# KiCad board PS-MotorControllerInterfacePCB.kicad_pcb
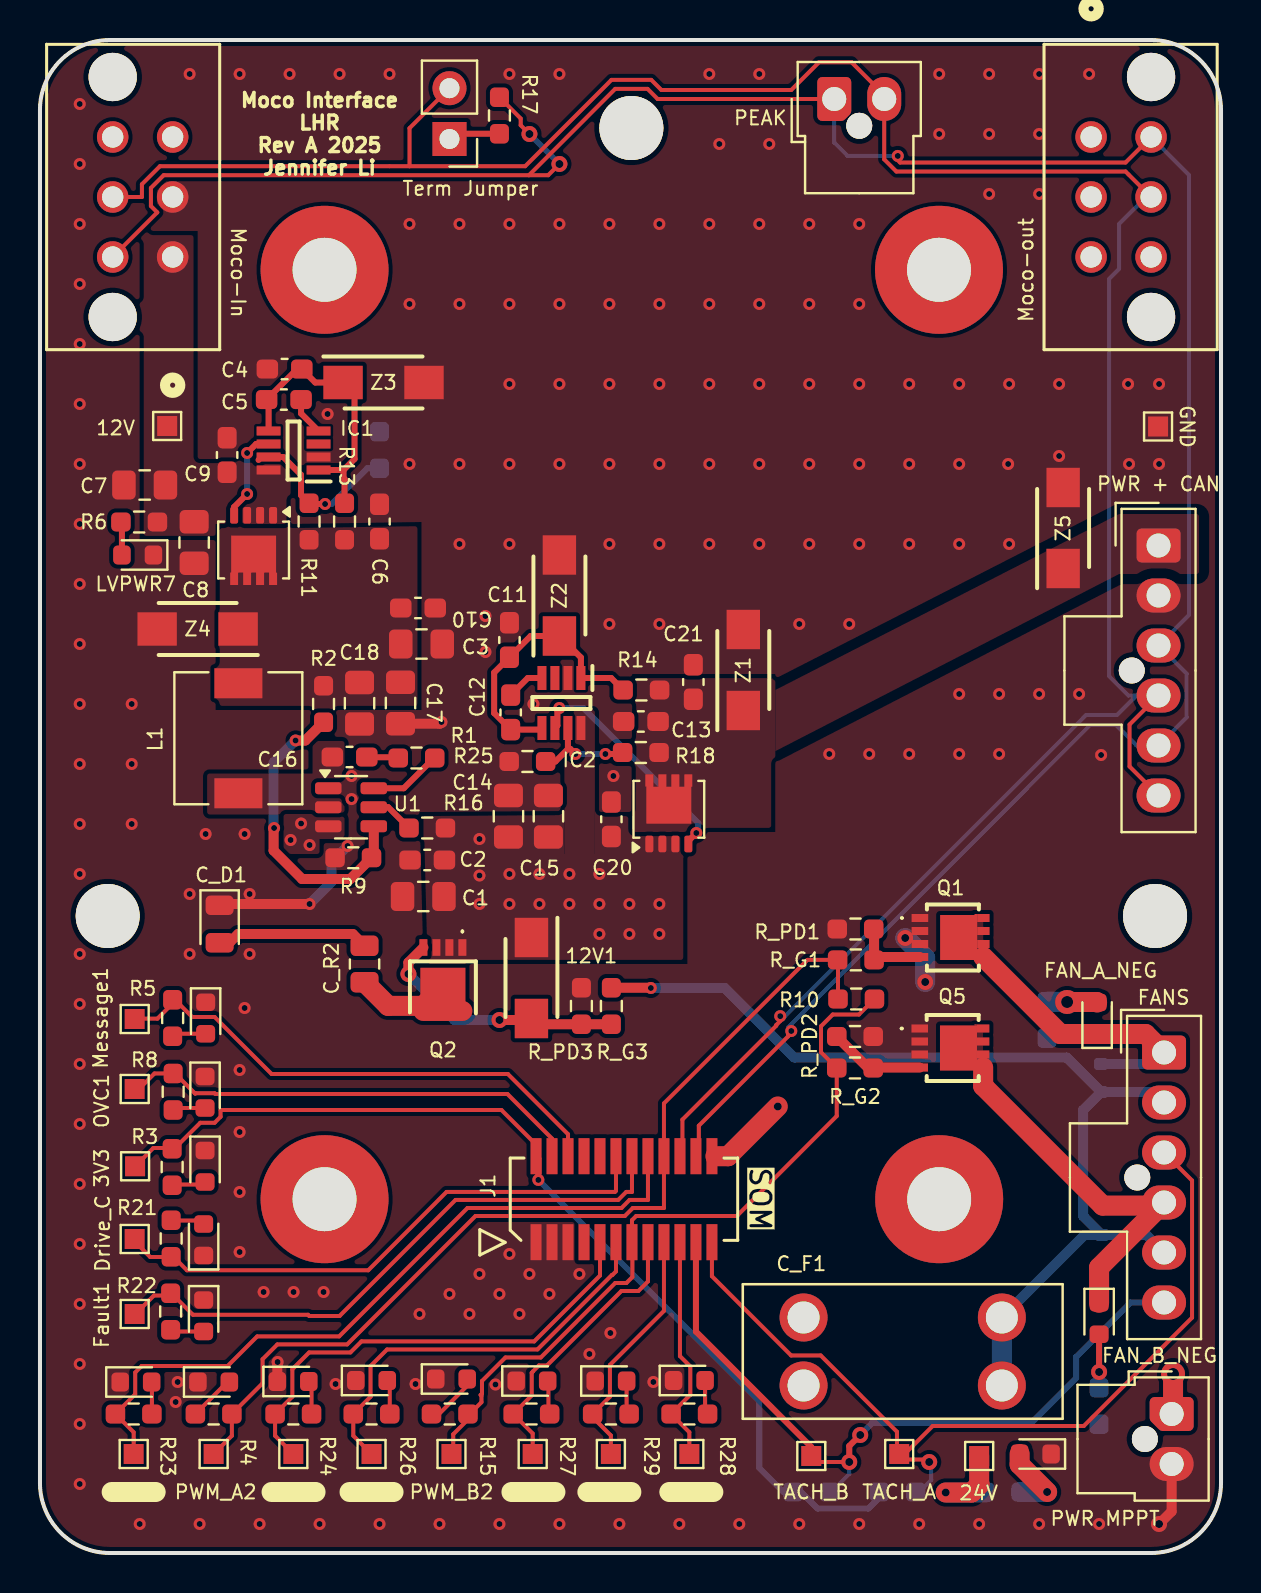
[diagram p0: board, top side]
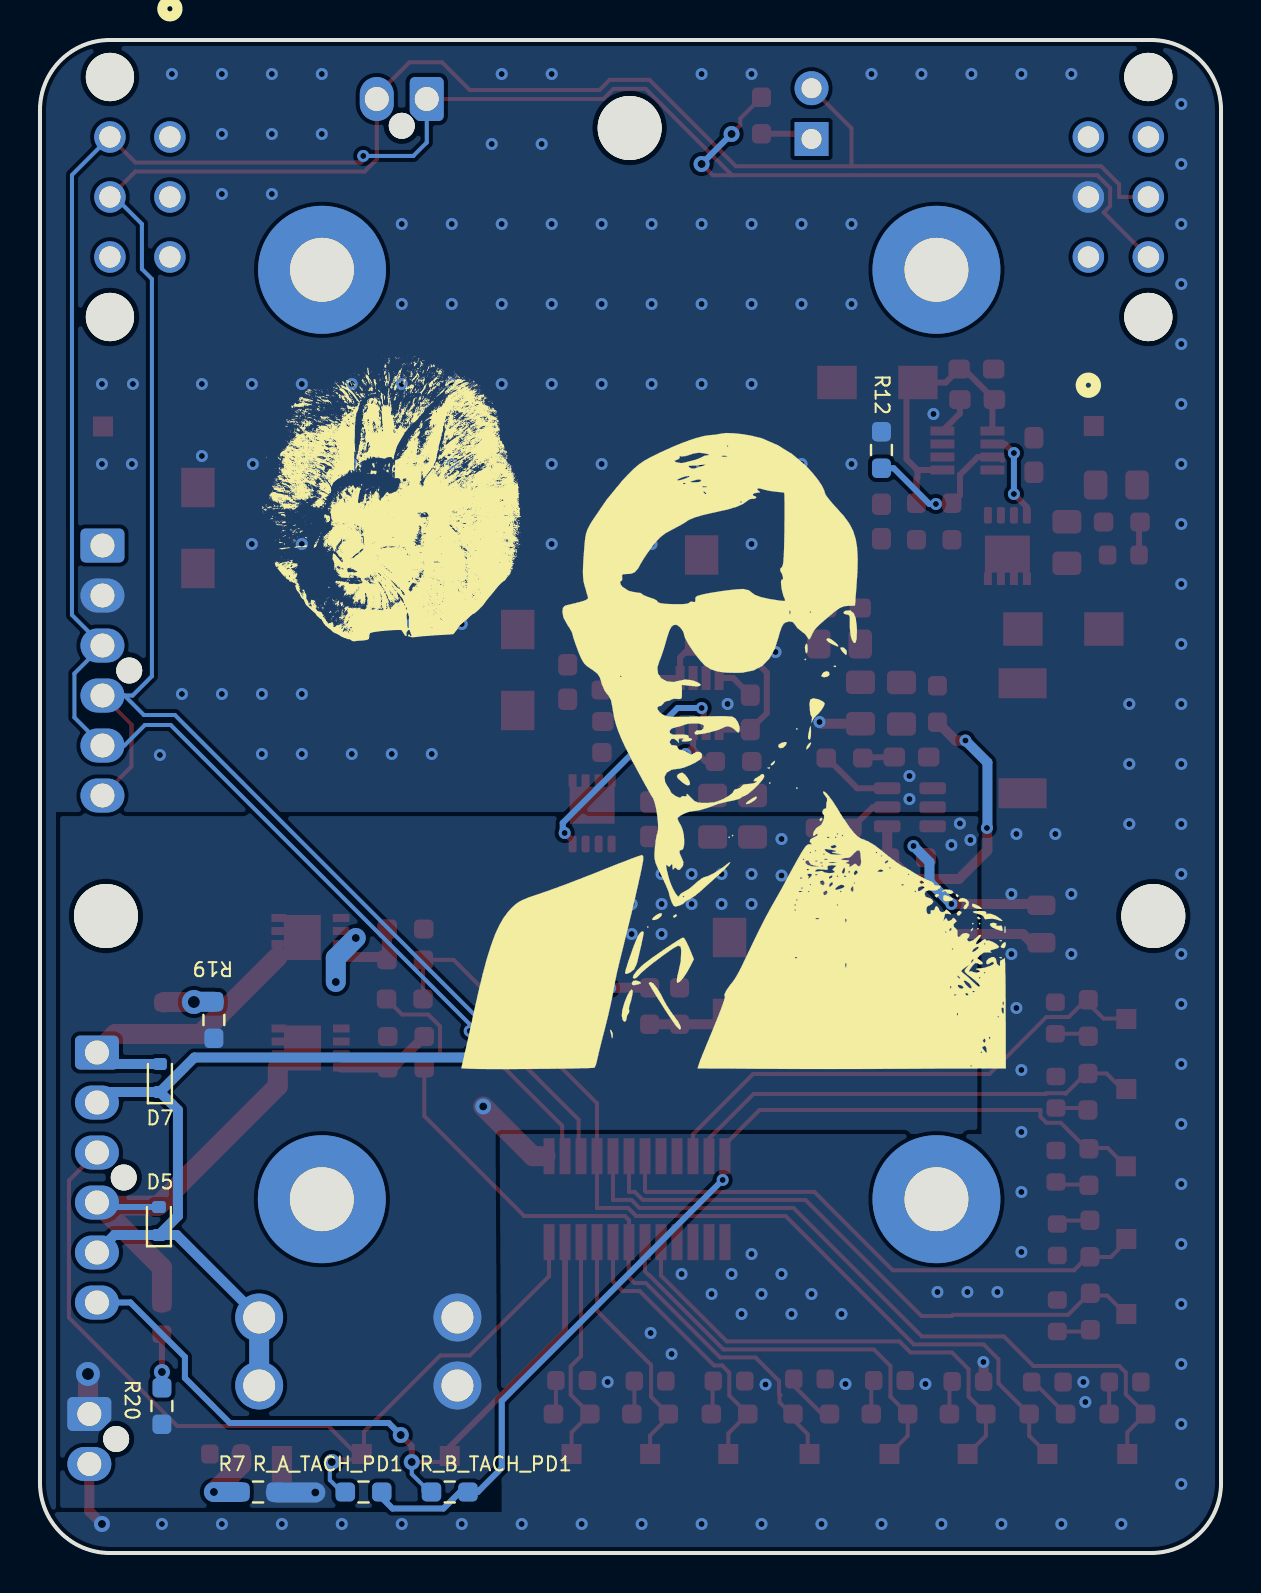
[diagram p1: board, bottom side, seen from below]

Outline 59.09 x 75.65 mm; copper layers: Top, Bottom. Coordinates in mm from the lower left corner of the outline.
Outline path: 0,72.15 arc(1.03,74.62) 3.5,75.65 55.59,75.65 arc(58.06,74.62) 59.09,72.15 59.09,3.5 arc(58.06,1.03) 55.59,0 3.5,0 arc(1.03,1.03) 0,3.5 0,72.15
Stack: Top 0.035mm / dielectric 1.51mm FR4 er 4.5 / Bottom 0.035mm

## Placement (name value [footprint] x y rotation side)
3V3  TP_3V3  [TestPoint_Pad_1.0x1.0mm]  4.76 19.34 180 top
12V  TP_12V  [TestPoint_Pad_1.0x1.0mm]  6.36 56.35 0 top
12V1  SMAF4742A  [SODFL5026X125N]  24.59 28.75 270 top
24V  TP_B_NEG  [TestPoint_Pad_1.0x1.0mm]  46.99 4.85 180 top
24V#2  LED  [LED_0603_1608Metric]  49.8 4.95 180 top
C1  10u  [C_0805_2012Metric_Pad1.18x1.45mm_HandSolder]  19.18 32.83 180 top
C2  100n  [C_0603_1608Metric_Pad1.08x0.95mm_HandSolder]  19.38 34.65 180 top
C3  22u  [C_0805_2012Metric_Pad1.18x1.45mm_HandSolder]  19.09 45.45 0 top
C4  1u  [C_0603_1608Metric_Pad1.08x0.95mm_HandSolder]  12.24 59.2 0 top
C5  220n  [C_0603_1608Metric_Pad1.08x0.95mm_HandSolder]  12.2 57.67 0 top
C6  .1u  [C_0603_1608Metric_Pad1.08x0.95mm_HandSolder]  16.99 51.58 270 top
C7  10u  [C_0805_2012Metric_Pad1.18x1.45mm_HandSolder]  5.24 53.4 180 top
C8  10u  [C_0805_2012Metric_Pad1.18x1.45mm_HandSolder]  7.71 50.53 270 top
C9  0.1u  [C_0603_1608Metric_Pad1.08x0.95mm_HandSolder]  9.36 54.9 90 top
C10  0.1u  [C_0603_1608Metric_Pad1.08x0.95mm_HandSolder]  18.91 47.25 0 top
C11  1u  [C_0603_1608Metric_Pad1.08x0.95mm_HandSolder]  23.49 45.65 270 top
C12  220n  [C_0603_1608Metric_Pad1.08x0.95mm_HandSolder]  23.55 42.03 90 top
C13  .1u  [C_0603_1608Metric_Pad1.08x0.95mm_HandSolder]  30.06 41.58 0 top
C14  10u  [C_0805_2012Metric_Pad1.18x1.45mm_HandSolder]  23.44 36.84 90 top
C15  10u  [C_0805_2012Metric_Pad1.18x1.45mm_HandSolder]  25.44 36.84 90 top
C16  100n  [C_0603_1608Metric_Pad1.08x0.95mm_HandSolder]  15.49 39.8 180 top
C17  22u  [C_0805_2012Metric_Pad1.18x1.45mm_HandSolder]  18.04 42.5 270 top
C18  22u  [C_0805_2012Metric_Pad1.18x1.45mm_HandSolder]  15.99 42.49 270 top
C20  0.1u  [C_0603_1608Metric_Pad1.08x0.95mm_HandSolder]  28.59 36.69 90 top
C21  0.1u  [C_0603_1608Metric_Pad1.08x0.95mm_HandSolder]  32.69 43.55 90 top
C_D1  20mA  [LED_0805_2012Metric]  8.99 31.45 270 top
C_F1  10A  [FUSE_3568]  43.16 10.08 0 top
C_R2  4.3k  [R_0805_2012Metric]  16.24 29.45 90 top
D5  1N4148WT  [D_SOD-523]  53.14 16.6 90 bottom
D7  1N4148WT  [D_SOD-523]  53.09 23.75 90 bottom
Drive_C  TP_D_C  [TestPoint_Pad_1.0x1.0mm]  4.74 15.7 90 top
FAN_A_NEG  LED  [LED_0603_1608Metric]  52.89 26.74 90 top
FAN_B_NEG  LED  [LED_0603_1608Metric]  52.99 11.73 270 top
FANS  Conn_01x06  [Molex_Nano-Fit_105309-xx06_1x06_P2.50mm_Vertical]  56.24 25.03 0 top
Fault1  TP_F  [TestPoint_Pad_1.0x1.0mm]  4.74 11.95 90 top
G***  LOGO  [richarddd]  41.49 52.45 180 bottom
G***#2  -  [LHRs_LOGO]  28.99 61.45 180 bottom
G***#3  LOGO  [Hallock_Image]  25.5 40.49 180 bottom
GND  TP_GND  [TestPoint_Pad_1.0x1.0mm]  55.94 56.33 270 top
H1  MountingHole_Pad  [MountingHole_3.2mm_M3]  55.79 31.85 0 top
H2  MountingHole_Pad  [MountingHole_3.2mm_M3]  3.39 31.85 0 top
H4  MountingHole_Pad  [MountingHole_3.2mm_M3]  29.59 71.25 0 top
IC1  LM74502HDDFR  [SOT65P280X110-8N]  12.69 55.12 180 top
IC2  LM74502HDDFR  [SOT65P280X110-8N]  26.09 42.5 270 top
J1  53307-2471  [PeripheralSOM]  29.22 17.69 180 top
L1  6.8u  [L_6.3x6.3_H3]  9.93 40.74 90 top
LED  LED  [TestPoint_Pad_1.0x1.0mm]  4.69 4.95 90 top
LED1  LED1  [TestPoint_Pad_1.0x1.0mm]  12.68 4.95 0 top
LED2  LED2  [TestPoint_Pad_1.0x1.0mm]  16.59 4.95 270 top
LED3  LED3  [TestPoint_Pad_1.0x1.0mm]  24.65 4.95 0 top
LED4  LED4  [TestPoint_Pad_1.0x1.0mm]  32.49 4.95 90 top
LED5  LED5  [TestPoint_Pad_1.0x1.0mm]  28.56 4.95 270 top
LVPWR2  LED  [LED_0603_1608Metric]  8.26 19.34 270 top
LVPWR3  LED  [LED_0603_1608Metric]  8.69 8.55 0 top
LVPWR4  LED  [LED_0603_1608Metric]  8.29 26.75 270 top
LVPWR5  LED  [LED_0603_1608Metric]  8.26 23.04 270 top
LVPWR6  LED  [LED_0603_1608Metric]  20.59 8.7 0 top
LVPWR7  LED  [LED_0603_1608Metric]  4.89 49.9 180 top
LVPWR8  LED  [LED_0603_1608Metric]  8.19 15.66 90 top
LVPWR9  LED  [LED_0603_1608Metric]  8.19 11.86 270 top
LVPWR10  LED  [LED_0603_1608Metric]  4.8 8.55 0 top
LVPWR11  LED  [LED_0603_1608Metric]  12.66 8.58 0 top
LVPWR12  LED  [LED_0603_1608Metric]  16.59 8.62 0 top
LVPWR13  LED  [LED_0603_1608Metric]  24.61 8.6 0 top
LVPWR14  LED  [LED_0603_1608Metric]  32.49 8.62 0 top
LVPWR15  LED  [LED_0603_1608Metric]  28.56 8.6 0 top
Message1  TP_M  [TestPoint_Pad_1.0x1.0mm]  4.74 26.7 90 top
Moco-In  MotorController-in  [Molex_Microfit3.0_02x03_6-Pin-Vertical-PCB-Receptacle_447690601]  6.64 64.8 90 top
Moco-out  MotorController-out  [Molex_Microfit3.0_02x03_6-Pin-Vertical-PCB-Receptacle_447690601]  52.59 70.8 270 top
OVC1  TP_OC  [TestPoint_Pad_1.0x1.0mm]  4.74 23.2 90 top
PEAK  PEAK  [Molex_Nano-Fit_105309-xx02_1x02_P2.50mm_Vertical]  39.74 72.7 90 top
PWM_A2  TP_PWM_A  [TestPoint_Pad_1.0x1.0mm]  8.69 4.95 180 top
PWM_B2  TP_PWM_B  [TestPoint_Pad_1.0x1.0mm]  20.59 4.95 180 top
PWR + CAN  Conn_01x06  [Molex_Nano-Fit_105309-xx06_1x06_P2.50mm_Vertical]  55.96 50.38 0 top
PWR MPPT  Power MPPT  [Molex_Nano-Fit_105309-xx02_1x02_P2.50mm_Vertical]  56.62 6.95 0 top
Q1  -  [PSMN8R5-40MSDX]  45.67 30.78 270 top
Q2  BUK6M61-60  [BUK9M34100EX]  20.16 28.63 180 top
Q5  -  [PSMN8R5-40MSDX]  45.66 25.25 270 top
Q6  PSMN8R5-40MSDX  [PSMN8R5-40MSDX#2]  10.79 50.25 270 top
Q7  PSMN8R5-40MSDX  [PSMN8R5-40MSDX#2]  31.36 37.09 90 top
R1  30  [R_0603_1608Metric_Pad0.98x0.95mm_HandSolder]  18.84 39.75 180 top
R2  140k  [R_0603_1608Metric_Pad0.98x0.95mm_HandSolder]  14.19 42.45 270 top
R3  4.3k  [R_0603_1608Metric_Pad0.98x0.95mm_HandSolder]  6.61 19.3 90 top
R4  4.3k  [R_0603_1608Metric_Pad0.98x0.95mm_HandSolder]  8.69 6.95 0 top
R5  4.3k  [R_0603_1608Metric_Pad0.98x0.95mm_HandSolder]  6.64 26.75 90 top
R6  4.3k  [R_0603_1608Metric_Pad0.98x0.95mm_HandSolder]  4.96 51.55 0 top
R7  4.3k  [R_0603_1608Metric_Pad0.98x0.95mm_HandSolder]  48.18 3.05 180 bottom
R8  4.3k  [R_0603_1608Metric_Pad0.98x0.95mm_HandSolder]  6.66 23.06 90 top
R9  10k  [R_0603_1608Metric_Pad0.98x0.95mm_HandSolder]  15.68 34.76 180 top
R10  0  [R_0603_1608Metric_Pad0.98x0.95mm_HandSolder]  40.84 27.7 0 top  (not fitted)
R11  100k  [R_0603_1608Metric_Pad0.98x0.95mm_HandSolder]  13.46 51.58 90 top
R12  9。5k  [R_0603_1608Metric_Pad0.98x0.95mm_HandSolder]  16.99 55.15 90 bottom
R13  10k  [R_0603_1608Metric_Pad0.98x0.95mm_HandSolder]  15.24 51.58 90 top
R14  10k  [R_0603_1608Metric_Pad0.98x0.95mm_HandSolder]  30.09 43.15 180 top
R15  4.3k  [R_0603_1608Metric_Pad0.98x0.95mm_HandSolder]  20.5 6.95 0 top
R16  220k  [R_0603_1608Metric_Pad0.98x0.95mm_HandSolder]  19.38 36.25 180 top
R17  120  [R_0603_1608Metric_Pad0.98x0.95mm_HandSolder]  22.99 71.88 270 top  (not fitted)
R18  200k  [R_0603_1608Metric_Pad0.98x0.95mm_HandSolder]  30.06 40.03 180 top
R19  4.3k  [R_0603_1608Metric_Pad0.98x0.95mm_HandSolder]  50.39 26.65 270 bottom
R20  4.3k  [R_0603_1608Metric_Pad0.98x0.95mm_HandSolder]  52.99 7.35 270 bottom
R21  4.3k  [R_0603_1608Metric_Pad0.98x0.95mm_HandSolder]  6.56 15.73 270 top
R22  4.3k  [R_0603_1608Metric_Pad0.98x0.95mm_HandSolder]  6.54 12.08 90 top
R23  4.3k  [R_0603_1608Metric_Pad0.98x0.95mm_HandSolder]  4.69 6.95 180 top
R24  4.3k  [R_0603_1608Metric_Pad0.98x0.95mm_HandSolder]  12.68 6.95 180 top
R25  9k  [R_0603_1608Metric_Pad0.98x0.95mm_HandSolder]  24.39 39.58 180 top
R26  4.3k  [R_0603_1608Metric_Pad0.98x0.95mm_HandSolder]  16.59 6.95 180 top
R27  4.3k  [R_0603_1608Metric_Pad0.98x0.95mm_HandSolder]  24.59 6.95 180 top
R28  4.3k  [R_0603_1608Metric_Pad0.98x0.95mm_HandSolder]  32.49 6.95 180 top
R29  4.3k  [R_0603_1608Metric_Pad0.98x0.95mm_HandSolder]  28.56 6.95 180 top
R_A_TACH_PD1  10k  [R_0603_1608Metric_Pad0.98x0.95mm_HandSolder]  42.9 3.05 180 bottom
R_B_TACH_PD1  10k  [R_0603_1608Metric_Pad0.98x0.95mm_HandSolder]  38.59 3.05 180 bottom
R_G1  100  [R_0603_1608Metric_Pad0.98x0.95mm_HandSolder]  40.82 29.66 180 top
R_G2  100  [R_0603_1608Metric_Pad0.98x0.95mm_HandSolder]  40.78 24.25 180 top
R_G3  100  [R_0603_1608Metric_Pad0.98x0.95mm_HandSolder]  28.59 27.35 90 top
R_PD1  10k  [R_0603_1608Metric_Pad0.98x0.95mm_HandSolder]  40.8 31.2 0 top
R_PD2  10k  [R_0603_1608Metric_Pad0.98x0.95mm_HandSolder]  40.78 25.83 180 top
R_PD3  10k  [R_0603_1608Metric_Pad0.98x0.95mm_HandSolder]  27.09 27.35 270 top
TACH_A  TP_A_TACH  [TestPoint_Pad_1.0x1.0mm]  42.99 4.95 180 top
TACH_B  TP_B_TACH  [TestPoint_Pad_1.0x1.0mm]  38.59 4.85 180 top
Term Jumper  TRM  [PinHeader_1x02_P2.54mm_Vertical]  20.49 70.7 180 top  (not fitted)
U1  TPS56339DDC  [SOT-23-6]  15.56 37.29 0 top
Z1  SMAF4751A-TP  [SODFL5026X125N]  35.19 44.15 90 top
Z2  SMAF4751A-TP  [SODFL5026X125N]  25.99 47.88 90 top
Z3  SMAF4744A  [SODFL5026X125N]  17.19 58.53 0 top
Z4  SMAF4744A  [SODFL5026X125N]  7.89 46.2 180 top
Z5  SMAF4744A  [SODFL5026X125N]  51.19 51.25 90 top

## Library data of the parts
3V3 12V 24V Drive_C Fault1 GND LED LED1-LED5 Message1 OVC1 PWM_A2 PWM_B2 TACH_A TACH_B = -: Description: test point; ki_fp_filters: Pin* Test*
12V1 Z1-Z5 = -: Datasheet: https://www.mccsemi.com/pdf/Products/SMAF4735A_SMAF4764A(DO-221AC).pdf; Description: 1.0 Watt Zener Diodes 6.2V to 100V; Height: 1.25; Mouser Part Number: 833-SMAF4749A-TP; Mouser Price/Stock: https://www.mouser.co.uk/ProductDetail/Micro-Commercial-Components-MCC/SMAF4749A-TP?qs=%252BXxaIXUDbq1bdSZ3Ebik%2FA%3D%3D; Manufacturer_Name: MCC; Manufacturer_Part_Number: SMAF4749A-TP
24V#2 FAN_A_NEG FAN_B_NEG LVPWR2-LVPWR15 = -: Description: Light emitting diode; Sim.Pins: 1=K 2=A; ki_fp_filters: LED* LED_SMD:* LED_THT:*
C1 C7 C8 C14 C15 = -: Description: Unpolarized capacitor; Manufacturer_Part_Number: GRM21BR61H106KE43K; ki_fp_filters: C_*
C2 C9 C10 C16 C20 C21 = -: Description: Unpolarized capacitor; Manufacturer_Part_Number: MLASH168SB7104KTNA01; ki_fp_filters: C_*
C3 C17 C18 = -: Description: Unpolarized capacitor; ki_fp_filters: C_*
C4 C11 = -: Description: Unpolarized capacitor; Manufacturer_Part_Number: MLASU168SB5105KTNA01; ki_fp_filters: C_*
C5 C12 = -: Description: Unpolarized capacitor; Manufacturer_Part_Number: MSASU168SB7224KTNB25; ki_fp_filters: C_*
C6 C13 = -: Description: Unpolarized capacitor; Manufacturer_Part_Number: 06035C223K4T4A; ki_fp_filters: C_*
C_D1 = -: Description: Light emitting diode; ki_fp_filters: LED* LED_SMD:* LED_THT:*
C_F1 = -: Description: Fuse; ki_fp_filters: *Fuse*
C_R2 = -: Description: Resistor, US symbol; Manufacturer_Part_Number: CRCW06034K30FKEA; ki_fp_filters: R_*
D5 D7 = -: Datasheet: https://www.diodes.com/assets/Datasheets/ds30396.pdf; Description: 75V 0.15A Fast switching Diode, SOD-523; Sim.Device: D; Sim.Pins: 1=K 2=A; Manufacturer_Part_Number: NCD0603R1; ki_fp_filters: D*SOD?523*
FANS PWR + CAN = -: Description: Generic connector, single row, 01x06, script generated (kicad-library-utils/schlib/autogen/connector/); ki_fp_filters: Connector*:*_1x??_*
H1 H2 H4 = -: Description: Mounting Hole with connection; ki_fp_filters: MountingHole*Pad*
IC1 IC2 = -: Datasheet: https://www.ti.com/lit/ds/symlink/lm74502h.pdf?HQS=dis-mous-null-mousermode-dsf-pf-null-wwe&ts=1659509238199&ref_url=https%253A%252F%252Fwww.mouser.vn%252F; Description: Hot Swap Voltage Controllers 3.2-V to 65-V industrial RPP controller with load disconnect, OVP, and high gate drive; Height: 1.1; Mouser Part Number: 595-LM74502HDDFR; Mouser Price/Stock: https://www.mouser.co.uk/ProductDetail/Texas-Instruments/LM74502HDDFR?qs=t7xnP681wgWDbfat8Yg%252B%2Fg%3D%3D; Manufacturer_Name: Texas Instruments
J1 = -: Datasheet: https://www.molex.com/en-us/products/part-detail-pdf/533072471?display=pdf; Description: Board-to-board connector for Peripheral SOM daughterboards
L1 = -: Description: Inductor; ki_fp_filters: Choke_* *Coil* Inductor_* L_*
Moco-In Moco-out = -: Description: Generic connector, double row, 02x03, top/bottom pin numbering scheme (row 1: 1...pins_per_row, row2: pins_per_row+1 ... num_pins), script generated (kicad-library-utils/schlib/autogen/connector/); ki_fp_filters: Connector*:*_2x??_*
PEAK PWR MPPT = -: Description: Generic connector, single row, 01x02, script generated (kicad-library-utils/schlib/autogen/connector/); ki_fp_filters: Connector*:*_1x??_*
Q1 Q2 Q5-Q7 = -: Datasheet: https://assets.nexperia.com/documents/data-sheet/PSMN8R5-40MSD.pdf; Description: MOSFETs PSMN8R5-40MSD/SOT1210/mLFPAK; Height: 1; Mouser Part Number: 771-PSMN8R5-40MSDX; Mouser Price/Stock: https://www.mouser.co.uk/ProductDetail/Nexperia/PSMN8R5-40MSDX?qs=vHuUswq2%252BswjdnYdBdHaPw%3D%3D; Manufacturer_Name: Nexperia
R1 R2 R16 = -: Description: Resistor; ki_fp_filters: R_*
R3-R8 R15 R19-R24 R26-R29 = -: Description: Resistor; Manufacturer_Part_Number: CRCW06034K30FKEA; ki_fp_filters: R_*
R9 R_A_TACH_PD1 R_B_TACH_PD1 R_PD1-R_PD3 = -: Description: Resistor; Manufacturer_Part_Number: CRCW060310K0FKEI; ki_fp_filters: R_*
R10 = -: Description: Resistor; Manufacturer_Part_Number: CRCW06030000Z0EE; ki_fp_filters: R_*
R11 = -: Description: Resistor, US symbol; Manufacturer_Part_Number: CRCW0603100KFKEE; ki_fp_filters: R_*
R12 R25 = -: Description: Resistor, US symbol; ki_fp_filters: R_*
R13 R14 = -: Description: Resistor, US symbol; Manufacturer_Part_Number: CRCW060310K0FKEI; ki_fp_filters: R_*
R17 = -: Description: Resistor; P/N: CRCW0603120RFKEC; Manufacturer_Part_Number: CRCW0603120RFKEC; ki_fp_filters: R_*
R18 = -: Description: Resistor, US symbol; Manufacturer_Part_Number: MCT06030C2003FP500; ki_fp_filters: R_*
R_G1-R_G3 = -: Description: Resistor; Manufacturer_Part_Number: CRCW0603120RFKEC; ki_fp_filters: R_*
Term Jumper = -: Description: Jumper, 2-pole, open; P/N: QPC02SXGN-RC; ki_fp_filters: Jumper* TestPoint*2Pads* TestPoint*Bridge*
U1 = -: Datasheet: https://www.ti.com/lit/ds/symlink/tps56339.pdf; Description: 4.5V to 24V Input, 3-A Output Synchronous Buck Converter, SOT-23-6; ki_fp_filters: SOT?23*

## Footprints (pads in the part's own frame, mm; a bottom-side part is the same pattern mirrored in y, then rotated)
BUK9M34100EX
  rect 0.4x0.83 smd: 1(-0.975,-1.647) 2(-0.325,-1.647) 3(0.325,-1.647) 4(0.975,-1.647)
  rect 0.4x0.62 smd: 5(0.975,1.527) 6(0.325,1.527) 7(-0.325,1.527) 8(-0.975,1.527)
  rect 2.25x1.85 smd: 9(0,0.292)
  rect 0.05x0.13 smd: 10(-1.15,1.152) 11(1.15,1.152)
C_0603_1608Metric_Pad1.08x0.95mm_HandSolder
  rrect 1.075x0.95 smd: 1(-0.863,0) 2(0.863,0)
C_0805_2012Metric_Pad1.18x1.45mm_HandSolder
  rrect 1.175x1.45 smd: 1(-1.038,0) 2(1.038,0)
D_SOD-523
  rrect 0.6x0.7 smd: 1(-0.7,0) 2(0.7,0)
FUSE_3568
  round 2.4 hole 1.6: 1(-4.96,1.7) 2(4.96,1.7) 3(-4.96,-1.7) 4(4.96,-1.7)
L_6.3x6.3_H3
  rect 1.5x2.4 smd: 1(-2.75,0) 2(2.75,0)
LED_0603_1608Metric
  rrect 0.875x0.95 smd: 1(-0.787,0) 2(0.787,0)
LED_0805_2012Metric
  rrect 0.975x1.4 smd: 1(-0.938,0) 2(0.938,0)
Molex_Microfit3.0_02x03_6-Pin-Vertical-PCB-Receptacle_447690601
  round 2.413 hole 2.413 unplated: (-3,3) (9,3)
  round 1.575 hole 1.067: 1(0,0) 2(3,0) 3(6,0) 4(0,3) 5(3,3) 6(6,3)
Molex_Nano-Fit_105309-xx02_1x02_P2.50mm_Vertical
  round 1.3 hole 1.3 unplated: (-1.34,-1.25)
  custom 2.2x1.7 hole 1.2: 1(0,0)
  oval 2.2x1.7 hole 1.2: 2(0,-2.5)
Molex_Nano-Fit_105309-xx06_1x06_P2.50mm_Vertical
  round 1.3 hole 1.3 unplated: (-1.34,-6.25)
  rrect 2.2x1.7 hole 1.2: 1(0,0)
  oval 2.2x1.7 hole 1.2: 2(0,-2.5) 3(0,-5) 4(0,-7.5) 5(0,-10) 6(0,-12.5)
MountingHole_3.2mm_M3
  round 3.2 hole 3.2 unplated: (0,0)
PeripheralSOM
  rect 0.55x1.8 smd: 1(4.4,2.15) 2(4.4,-2.15) 3(3.6,2.15) 4(3.6,-2.15) 5(2.8,2.15) 6(2.8,-2.15) 7(2,2.15) 8(2,-2.15) 9(1.2,2.15) 10(1.2,-2.15) 11(0.4,2.15) 12(0.4,-2.15) 13(-0.4,2.15) 14(-0.4,-2.15) 15(-1.2,2.15) 16(-1.2,-2.15) 17(-2,2.15) 18(-2,-2.15) 19(-2.8,2.15) 20(-2.8,-2.15) 21(-3.6,2.15) 22(-3.6,-2.15) 23(-4.4,2.15) 24(-4.4,-2.15)
  round 3.6 hole 3.2: 25(-15.77,0) 26(14.98,0) 27(14.98,-46.47) 28(-15.76,-46.47)
  round 6.4 smd: 25(-15.77,0) 26(14.98,0) 27(14.98,-46.47) 28(-15.76,-46.47)
  round 6.4 smd far side: 25(-15.77,0) 26(14.98,0) 27(14.98,-46.47) 28(-15.76,-46.47)
PinHeader_1x02_P2.54mm_Vertical
  rect 1.7x1.7 hole 1: 1(0,0)
  round 1.7 hole 1: 2(0,-2.54)
PSMN8R5-40MSDX
  rect 0.4x0.83 smd: 1(-0.975,-1.65) 2(-0.325,-1.65) 3(0.325,-1.65) 4(0.975,-1.65)
  rect 0.4x0.62 smd: 5(0.975,1.525) 6(0.325,1.525) 7(-0.325,1.525) 8(-0.975,1.525)
  rect 2.25x1.85 smd: 9(0,0.29)
  rect 0.05x0.13 smd: 10(1.15,1.15) 11(-1.15,1.15)
PSMN8R5-40MSDX#2
  rrect 0.83x0.3 smd: (-1.635,0.875) (-1.635,0.225) (-1.635,-0.425) (-1.635,-1.075) (1.475,0.875) (1.475,0.225) (1.475,-0.425) (1.475,-1.075)
  rrect 0.51x0.635 smd: (-0.315,0.526) (-0.315,-0.726) (0.545,0.526) (0.545,-0.726)
  rrect 0.83x0.4 smd: 1(-1.635,0.875) 1(-1.635,0.225) 1(-1.635,-0.425) 2(-1.635,-1.075)
  custom 2.47x2.35 smd: 3(0.305,-0.1)
R_0603_1608Metric_Pad0.98x0.95mm_HandSolder
  rrect 0.975x0.95 smd: 1(-0.912,0) 2(0.912,0)
R_0805_2012Metric
  rrect 1.025x1.4 smd: 1(-0.912,0) 2(0.912,0)
SODFL5026X125N
  rect 1.97x1.67 smd: 1(-2.025,0) 2(2.025,0)
SOT65P280X110-8N
  rect 1.2x0.45 smd: 1(-1.25,0.975) 2(-1.25,0.325) 3(-1.25,-0.325) 4(-1.25,-0.975) 5(1.25,-0.975) 6(1.25,-0.325) 7(1.25,0.325) 8(1.25,0.975)
SOT-23-6
  rrect 1.325x0.6 smd: 1(-1.137,0.95) 2(-1.137,0) 3(-1.137,-0.95) 4(1.137,-0.95) 5(1.137,0) 6(1.137,0.95)
TestPoint_Pad_1.0x1.0mm
  rect 1x1 smd: 1(0,0)

## Nets
+3V3: 3V3.1 J1.2 R3.2 R_A_TACH_PD1.2 R_B_TACH_PD1.2
+12V: 12V.1 C7.1 C8.1 C9.1 IC1.8 Moco-In.1 Q6.1 R6.2
+24V: 12V1.1 24V.1 C1.1 C2.1 C14.1 C15.1 C20.1 C_F1.1 C_F1.3 IC2.8 J1.24 PWR MPPT.1 Q2.1 Q2.2 Q2.3 Q7.1 R7.2 R16.1 R19.2 R20.2 U1.3
/12V_BUS: C3.1 C6.2 C10.1 C17.1 C18.1 L1.2 Q6.3 R2.1 R11.1 R13.1 Z4.1
/VIN_24V: C13.2 C21.1 PWR + CAN.1 Q7.3 R14.1 R18.1 Z1.1 Z5.1
GND: 24V#2.1 C1.2 C2.2 C3.2 C4.1 C6.1 C7.2 C8.2 C9.2 C10.2 C11.1 C13.1 C14.2 C15.2 C17.2 C18.2 C20.2 C21.2 C_D1.1 GND.1 IC1.2 IC2.2 J1.1 J1.3 J1.5 LVPWR2.1 LVPWR3.1 LVPWR4.1 LVPWR5.1 LVPWR6.1 LVPWR7.1 LVPWR8.1 LVPWR9.1 LVPWR10.1 LVPWR11.1 LVPWR12.1 LVPWR13.1 LVPWR14.1 LVPWR15.1 Moco-In.2 PWR + CAN.2 PWR MPPT.2 Q1.1 Q1.2 Q1.3 Q5.1 Q5.2 Q5.3 R9.2 R12.2 R25.2 R_PD1.1 R_PD2.1 R_PD3.1 U1.1 Z1.2 Z2.2 Z3.2 Z4.2 Z5.2
/Buck Converter 24V-12V/SW: C16.2 L1.1 U1.2
/CAN_N: J1.20 Moco-In.5 Moco-out.5 PEAK.2 PWR + CAN.4 PWR + CAN.6 Term Jumper.2
/CAN_P: J1.22 Moco-In.4 Moco-out.4 PEAK.1 PWR + CAN.3 PWR + CAN.5 R17.1
/D_C: Drive_C.1 J1.12 R21.2
/FAN_A_TACHO: FANS.3 J1.23 R_A_TACH_PD1.1 TACH_A.1
/FAN_B_TACHO: FANS.6 J1.21 R_B_TACH_PD1.1 TACH_B.1
/Fans/FAN_A_NEG: D7.2 FAN_A_NEG.1 FANS.1 Q1.5 Q1.6 Q1.7 Q1.8 Q1.9 Q1.10 Q1.11
/Fans/FAN_B_NEG: D5.2 FAN_B_NEG.1 FANS.4 Q5.5 Q5.6 Q5.7 Q5.8 Q5.9 Q5.10 Q5.11
/FANS_IN: C_F1.2 C_F1.4 D5.1 D7.1 FANS.2 FANS.5 R_G3.2
/LED: J1.16 LED.1 R23.2
/LED1: J1.9 LED1.1 R24.2
/LED2: J1.11 LED2.1 R26.2
/LED3: J1.15 LED3.1 R27.2
/LED4: J1.19 LED4.1 R28.2
/LED5: J1.17 LED5.1 R29.2
/M_FAULT: Fault1.1 J1.14 R22.2
/MESSAGE: J1.6 Message1.1 R5.2
/Power12V/OV: IC1.7 R11.2 R12.1
/Power24V/OV: IC2.7 R18.2 R25.1
/PWM_FAN_A: J1.18 PWM_A2.1 R4.2 R10.1 R_G1.2
/PWM_FAN_B: J1.13 PWM_B2.1 R10.2 R15.2 R_G2.2
/RPP_EN12: C4.2 C5.1 IC1.1 IC1.5 R13.2 Z3.1
/RPP_EN24: C11.2 C12.1 IC2.1 IC2.5 R14.2 Z2.1
/S_OC: J1.4 OVC1.1 R8.2
Net-(12V1-A): 12V1.2 Q2.4 R_G3.1 R_PD3.2
Net-(C16-Pad1): C16.1 R1.2
Net-(C_D1-A): C_D1.2 C_R2.2
Net-(IC1-GATE): IC1.6 Q6.2
Net-(IC1-VCAP): C5.2 IC1.4
Net-(IC2-GATE): IC2.6 Q7.2
Net-(IC2-VCAP): C12.2 IC2.4
Net-(JP1-A): R17.2 Term Jumper.1
Net-(LVPWR1-A): 24V#2.2 R7.1
Net-(LVPWR2-A): LVPWR2.2 R3.1
Net-(LVPWR3-A): LVPWR3.2 R4.1
Net-(LVPWR4-A): LVPWR4.2 R5.1
Net-(LVPWR5-A): LVPWR5.2 R8.1
Net-(LVPWR6-A): LVPWR6.2 R15.1
Net-(LVPWR7-A): LVPWR7.2 R6.1
Net-(LVPWR8-A): LVPWR8.2 R21.1
Net-(LVPWR9-A): LVPWR9.2 R22.1
Net-(LVPWR10-A): LVPWR10.2 R23.1
Net-(LVPWR11-A): LVPWR11.2 R24.1
Net-(LVPWR12-A): LVPWR12.2 R26.1
Net-(LVPWR13-A): LVPWR13.2 R27.1
Net-(LVPWR14-A): LVPWR14.2 R28.1
Net-(LVPWR15-A): LVPWR15.2 R29.1
Net-(LVPWR16-A): FAN_A_NEG.2 R19.1
Net-(LVPWR17-A): FAN_B_NEG.2 R20.1
Net-(Q1-G): Q1.4 R_G1.1 R_PD1.2
Net-(Q2-D_1): C_R2.1 Q2.5 Q2.6 Q2.7 Q2.8 Q2.9 Q2.10 Q2.11
Net-(Q5-G): Q5.4 R_G2.1 R_PD2.2
Net-(U1-BOOT): R1.1 U1.6
Net-(U1-EN): R16.2 U1.5
Net-(U1-FB): R2.2 R9.1 U1.4

Pads without a net: IC1 3; IC2 3; J1 7 8 10 25 26 27 28; Moco-In 3 6; Moco-out 1 2 3 6

## Via types
v1: diameter 0.8, hole 0.4, Top to Bottom, 14 vias
v2: diameter 0.6, hole 0.3, Top to Bottom, 215 vias
v3: diameter 1.2, hole 0.6, Top to Bottom, 2 vias

## Routing (per net, layer and track width the routed paths; a pad name or vN(x,y) marks a point on that pad's centre or on a via; arc(x,y) is an arc through that point)
+3V3: length 50.4
  Top w0.2: 3V3.1 5.67,20.25 6.58,20.25 R3.2 6.72,20.21 8.02,21.51 8.74,21.51 9.04,21.81 9.04,22.15 23.09,22.15 24.82,20.42 J1.2
  Top w0.3: J1.2 24.93,19.72 v2(24.93,18.65)
  Bottom w0.3: 42.28,3.05 41.45,2.22 38.9,2.22 38.08,3.05 37.19,3.05 35.99,4.25 35.99,7.6 v2(24.93,18.65)
+24V: length 11.4
  Top w1: PWR MPPT.1 56.69,7.02 v3(56.69,8.95) ; 33.79,19.84 34.43,19.84 v1(36.91,22.33) ; 47.01,3.42 46.61,3.03 v1(45.31,3.03) ; 46.99,3.45 24V.1
  Bottom w1: v1(45.31,3.03) 47.29,3.03
  vias: v2(12.54,35.65) v2(13.06,36.48) v2(13.49,35.4) v2(21.99,35.7) v2(21.99,33.88) v2(21.99,32.45) v2(23.49,33.95) v2(23.49,32.45) v2(24.99,33.95) v2(24.99,32.45) v2(26.49,33.95) v2(26.49,32.45) v2(27.99,33.95) v2(27.99,32.45) v2(27.99,30.95) v2(29.49,32.45) v2(29.49,30.95) v2(30.99,32.45) v2(30.99,30.95)
GND: length 17.2
  Top w0.5: C17.2 20,41.46 v2(20.09,41.55) ; v2(13.49,32.45) 9.05,32.45 C_D1.1 ; LVPWR11.1 11.88,9.54 v2(11.89,9.55) ; PWR MPPT.2 56.62,2.08 v1(55.99,1.45)
  Bottom w0.5: v2(15.39,35.35) 14.59,34.55 14.59,33.55 v2(13.49,32.45)
  Bottom w1: v1(43.29,30.75) 44.29,29.75 v1(44.29,28.55)
  vias: v2(1.99,72.45) v2(1.99,69.45) v2(1.99,66.45) v2(1.99,63.45) v2(1.99,60.45) v2(1.99,57.45) v2(1.99,54.45) v2(1.99,51.45) v2(1.99,48.45) v2(1.99,45.45) v2(1.99,42.45) v2(1.99,39.45) v2(1.99,36.45) v2(1.99,33.95) v2(1.99,29.95) v2(1.99,27.45) v2(1.99,24.45) v2(1.99,21.45) v2(1.99,18.45) v2(1.99,15.45) v2(1.99,12.45) v2(1.99,9.45) v2(1.99,6.45) v2(1.99,3.45) v2(4.59,42.45) v2(4.59,39.45) v2(4.59,36.45) v2(4.99,1.45) v2(6.79,7.55) v2(6.89,8.55) v2(7.49,73.95) v2(7.49,32.95) v2(7.49,29.95) v2(7.99,1.45) v2(8.29,35.95) v2(9.99,73.95) v2(9.99,24.15) v2(9.99,21.05) v2(9.99,18.05) v2(9.99,15.05) v2(10.24,35.95) v2(10.24,27.25) v2(10.49,32.95) v2(10.49,29.95) v2(10.99,1.45) v2(11.19,13.05) v2(12.49,73.95) v2(12.69,13.05) v2(13.99,1.45) v2(14.19,13.05) v2(14.39,56.95) v2(14.79,8.45) v2(14.99,73.95) v2(15.59,38.85) v2(15.59,37.7) v2(16.99,1.45) v2(17.49,73.95) v2(18.49,66.45) v2(18.49,62.45) v2(18.49,54.45) v2(18.79,8.45) v2(18.99,11.95) v2(19.99,1.45) v2(20.49,12.95) v2(20.99,66.45) v2(20.99,62.45) v2(20.99,54.45) v2(20.99,50.45) v2(21.49,11.95) v2(21.99,13.95) v2(22.29,46.85) v2(22.29,45.05) v2(22.79,8.42) v2(22.99,12.95) v2(22.99,1.45) v2(23.49,73.95) v2(23.49,66.45) v2(23.49,62.45) v2(23.49,58.45) v2(23.49,54.45) v2(23.49,50.45) v2(23.49,14.95) v2(23.99,11.95) v2(24.49,13.95) v2(24.69,42.45) v2(25.49,12.95) v2(25.99,73.95) v2(25.99,66.45) v2(25.99,62.45) v2(25.99,58.45) v2(25.99,54.45) v2(25.99,1.45) v2(26.99,13.95) v2(27.49,9.95) v2(28.49,66.45) v2(28.49,62.45) v2(28.49,58.45) v2(28.49,54.45) v2(28.49,50.45) v2(28.49,46.45) v2(28.54,11) v2(28.69,38.85) v2(28.99,1.45) v2(30.69,8.55) v2(30.99,66.45) v2(30.99,62.45) v2(30.99,58.45) v2(30.99,54.45) v2(30.99,50.45) v2(30.99,46.45) v2(31.99,1.45) v2(33.49,73.95) v2(33.49,66.45) v2(33.49,62.45) v2(33.49,58.45) v2(33.49,54.45) v2(33.49,50.45) v2(33.99,70.45) v2(34.99,1.45) v2(35.99,73.95) v2(35.99,66.45) v2(35.99,62.45) v2(35.99,58.45) v2(35.99,54.45) v2(35.99,50.45) v2(36.49,70.45) v2(37.99,46.45) v2(37.99,1.45) v2(38.49,66.45) v2(38.49,62.45) v2(38.49,58.45) v2(38.49,54.45) v2(38.49,50.45) v2(39.49,39.95) v2(40.49,46.45) v2(40.99,66.45) v2(40.99,62.45) v2(40.99,58.45) v2(40.99,54.45) v2(40.99,50.45) v2(40.99,1.45) v2(41.49,39.95) v2(43.49,58.45) v2(43.49,54.45) v2(43.49,50.45) v2(43.49,39.95) v2(43.99,1.45) v2(44.99,73.95) v2(44.99,70.95) v2(45.99,58.45) v2(45.99,54.45) v2(45.99,50.45) v2(45.99,42.95) v2(45.99,39.95) v2(46.99,1.45) v2(47.49,73.95) v2(47.49,70.95) v2(47.49,67.95) v2(47.99,42.95) v2(47.99,39.95) v2(48.44,54.45) v2(48.49,58.45) v2(48.49,50.45) v2(49.99,73.95) v2(49.99,70.95) v2(49.99,67.95) v2(49.99,42.95) v2(49.99,1.45) v2(50.99,58.45) v2(50.99,54.85) v2(51.99,42.95) v2(52.49,73.95) v2(52.99,1.45) v2(53.09,39.9) v2(54.44,58.45) v2(54.49,54.45) v2(55.99,58.45) v2(55.99,54.45)
/CAN_N: length 133.6
  Top w0.2: 18.49,69.34 18.49,71.24 Term Jumper.2 ; 18.49,69.34 24.28,69.34 28.59,73.65 30.58,73.65 31.09,73.15 37.59,73.15 38.97,74.54 40.6,74.54 41.79,73.35 41.79,73.15 PEAK.2 42.24,69.68 42.85,69.07 54.31,69.07 Moco-out.5 ; 18.49,69.34 6,69.34 5.1,68.44 5.1,67.8 Moco-In.5 ; v2(37.04,26.84) 37.04,26.6 36.84,26.4 36.84,26.36 32.14,21.67 32.14,20.59 32.02,20.47 J1.20 ; PWR + CAN.4 54.51,41.42 54.51,39.33 PWR + CAN.6
  Bottom w0.2: Moco-out.5 55.34,67.8 53.99,66.45 53.99,64.2 53.49,63.7 53.49,43.84 54.45,42.88 PWR + CAN.4 54.86,42.88 53.89,41.9 52.34,41.9 37.28,26.84 v2(37.04,26.84)
/CAN_P: length 133.1
  Top w0.2: PEAK.1 30.9,72.7 30.4,73.21 28.78,73.21 24.46,68.89 ; R17.1 24.05,71.72 24.05,71.39 v1(24.49,70.95) ; Moco-In.4 5.87,67.03 5.55,67.35 5.55,68.25 6.19,68.89 24.46,68.89 ; v1(25.99,69.45) 25.43,68.89 24.46,68.89 ; J1.22 32.96,19.98 32.96,21.36 37.44,25.84 37.44,25.95 v2(37.59,26.1) ; Moco-out.4 54.31,69.52 43.03,69.52 42.85,69.71 42.85,69.78 v2(42.92,69.85)
  Bottom w0.2: Moco-out.4 57.49,68.9 57.49,46.9 PWR + CAN.3 57.36,43.97 57.36,41.78 PWR + CAN.5 54.86,40.38 53.84,41.4 52.55,41.4 37.44,26.29 37.44,26.25 v2(37.59,26.1) ; v2(42.92,69.85) 40.41,69.85 39.74,70.53 PEAK.1
  Bottom w0.3: v1(24.49,70.95) v1(25.99,69.45)
/D_C: length 28.1
  Top w0.2: J1.12 28.82,18.11 28.76,18.05 20.34,18.05 16.42,14.14 7.35,14.14 6.68,14.81 R21.2 6.55,14.8 5.51,14.8 4.69,15.62
/FAN_A_TACHO: length 45.1
  Top w0.2: 43.16,4.85 44.66,6.35 52.22,6.35 57.64,11.77 57.64,18.62 FANS.3 ; 43.16,4.85 42.88,4.85 42.88,6.06 39.06,9.88 37.58,9.88 33.62,13.84 J1.23 ; 43.16,4.85 43.34,4.67 44.36,4.67 v1(44.49,4.55)
  Bottom w0.2: 44.1,3.05 44.1,3.16 44.59,3.65 44.59,4.45 v1(44.49,4.55)
/FAN_B_TACHO: length 37
  Top w0.2: v1(40.49,4.55) 38.99,4.55 38.64,4.9
  Top w0.3: 38.64,4.9 TACH_B.1 38.59,5.3 32.82,11.07 J1.21 ; v1(40.49,4.55) 40.49,5.35 v1(41.04,5.9)
  Bottom w0.2: 39.9,3.05 39.9,3.36 40.49,3.95 v1(40.49,4.55)
  Bottom w0.3: v1(41.04,5.9) 41.64,6.5 49.59,6.5 51.84,8.75 51.84,9.8 54.56,12.53 FANS.6
/Fans/FAN_A_NEG: length 14.4
  Top w1: FANS.1 55.31,25.95 FAN_A_NEG.1 51.05,25.95 Q1.5
  Bottom w0.5: D7.2 55.66,24.45 FANS.1
/Fans/FAN_B_NEG: length 22.1
  Top w1: Q5.5 47.19,23.35 53.17,17.37 56.08,17.37 FANS.4 52.99,14.28 FAN_B_NEG.1
  Bottom w0.3: FANS.4 56.01,17.3 D5.2
/FANS_IN: length 51.5
  Top w0.5: 28.6,28.25 R_G3.2 30.55,28.26 v2(30.56,28.25)
  Bottom w0.5: C_F1.2 52.25,15.9 D5.1 ; D7.1 52.19,22.15 52.19,16.85 D5.1 ; D7.1 55.71,23.05 FANS.2 ; D7.1 51.36,24.78 37.74,24.78 34.26,28.25 v2(30.56,28.25) ; D5.1 55.36,15.9 FANS.5
  Bottom w1: C_F1.2 C_F1.4
/LED: length 36.3
  Top w0.2: LED.1 4.69,6.04 R23.2 4.76,7.94 4.76,9.03 5.09,9.35 9.39,9.35 10.87,10.83 14.97,10.83 21.39,17.25 29.1,17.25 29.5,17.65 30.42,17.65 J1.16
/LED1: length 24
  Top w0.2: LED1.1 11.76,5.86 R24.2 12.63,7.81 12.63,9.19 13.47,10.03 15.53,10.03 16.08,10.58 24.72,10.58 28.02,13.87 J1.9
/LED2: length 20.8
  Top w0.2: LED2.1 15.68,5.86 R26.2 16.54,7.81 16.54,9.35 17.37,10.18 24.89,10.18 28.61,13.9 28.64,13.9 28.82,14.08 J1.11
/LED3: length 14.5
  Top w0.2: LED3.1 24.65,5.98 R27.2 24.6,7.88 24.6,9.01 24.66,9.07 24.66,9.08 24.96,9.38 25.36,9.38 29.09,13.1 29.94,13.1 30.42,13.58 J1.15
/LED4: length 11.6
  Top w0.2: J1.19 32.02,9.84 32.54,9.33 32.54,7.91 R28.2 32.49,6.04 LED4.1
/LED5: length 12.4
  Top w0.2: LED5.1 28.56,5.88 27.65,6.79 R29.2 28.51,7.81 28.51,9.4 31.22,12.11 J1.17
/M_FAULT: length 30.2
  Top w0.2: J1.14 29.62,18.05 29.33,18.05 28.93,17.65 20.79,17.65 14.99,11.85 13.47,11.85 13.41,11.91 7.65,11.91 6.69,12.88 6.65,12.88 R22.2 6.43,12.88 5.7,12.88 4.69,11.86
/MESSAGE: length 26
  Top w0.2: 4.79,26.72 5.88,26.72 6.64,27.48 R5.2 6.75,27.66 7.62,26.8 8.74,26.8 11.59,23.95 23.41,23.95 26.42,20.94 J1.6
/Power12V/OV: length 8.4
  Top w0.3: v2(14.26,52.45) 13.5,52.45 R11.2 13.06,52.89 13.06,53.91 12.17,54.8 IC1.7 11.08,54.8 10.94,54.65
  Bottom w0.3: v2(14.26,52.45) 14.59,52.45 16.38,54.24 R12.1
/Power24V/OV: length 5.3
  Top w0.3: 26.41,40.2 25.79,39.58 R25.1 25.33,39.54 ; 26.41,40.2 IC2.7 ; 26.41,40.2 26.54,40.2 v2(26.79,39.95) ; v2(28.29,39.95) 29.08,39.95 R18.2
  Bottom w0.3: v2(26.79,39.95) v2(28.29,39.95)
/PWM_FAN_A: length 47.8
  Top w0.2: R10.1 39.93,29.64 R_G1.2 38.39,29.66 31.22,22.48 J1.18 31.22,17.25 29.66,17.25 29.26,16.85 21.79,16.85 15.37,10.43 11.88,10.43 11.14,9.69 11.14,8.49 R4.2 9.6,5.86 PWM_A2.1
/PWM_FAN_B: length 37.3
  Top w0.2: 20.68,4.95 20.68,5.94 21.5,6.76 21.5,6.95 22.09,7.54 22.09,7.86 22.04,7.9 22.11,7.97 22.11,8.6 23.29,9.78 25.06,9.78 28.78,13.5 29.34,13.5 29.64,13.8 29.64,14.96 29.62,14.98 J1.13 29.62,16.64 29.83,16.85 34.86,16.85 39.86,21.85 R_G2.2 39.07,25.04 39.07,26.34 39.66,26.92 40.97,26.92 R10.2
/RPP_EN12: length 14.1
  Top w0.3: IC1.5 11.44,57.57 C5.1 12.86,59.2 C4.2 13.77,58.53 15.16,58.53 15.74,57.95 15.74,54.7 15.19,54.15 ; 15.19,54.15 15.19,53.75 15.24,53.7 R13.2 ; 15.19,54.15 IC1.1
/RPP_EN24: length 13.7
  Top w0.3: IC2.5 25.03,41.17 C12.1 22.72,41.99 22.72,44.02 C11.2 24.55,45.85 Z2.1 27.06,44.78 IC2.1 28.58,43.75 R14.2
/S_OC: length 23.5
  Top w0.2: J1.4 25.62,20.72 23.39,22.95 8.78,22.95 8.74,22.99 7.78,22.99 7.76,22.97 6.76,23.98 R8.2 5.73,23.98 4.79,23.04
Net-(12V1-A): length 12.9
  Top w0.5: Q2.4 18.43,29.53 v1(18.43,28.95) ; R_G3.1 24.88,26.44 24.59,26.73 24.51,26.65 v1(22.99,26.65)
  Bottom w0.5: v1(22.99,26.65) 20.73,26.65 v1(18.43,28.95)
Net-(C16-Pad1): length 1.6
  Top w0.3: 16.31,39.79 17.89,39.79 R1.2
Net-(C_D1-A): length 7.7
  Top w0.5: C_D1.2 9.48,30.51 9.91,30.95 15.65,30.95 C_R2.2
Net-(IC1-GATE): length 4.6
  Top w0.3: IC1.6 10.81,55.45 v2(10.36,55) ; v2(10.36,52.95) 9.71,52.3 9.71,51.89
  Bottom w0.3: v2(10.36,55) v2(10.36,52.95)
Net-(IC1-VCAP): length 1.9
  Top w0.3: C5.2 13.06,56.98 IC1.4
Net-(IC2-GATE): length 11.7
  Top w0.3: v2(32.84,36) 32.44,35.6 Q7.2 ; IC2.6 25.89,41.37 25.89,42.15 v2(25.98,42.25)
  Bottom w0.3: v2(32.84,36) 32.94,36.1 32.94,36.5 27.19,42.25 v2(25.98,42.25)
Net-(IC2-VCAP): length 1.9
  Top w0.3: C12.2 24.41,43.75 IC2.4
Net-(JP1-A): length 2.6
  Top w0.3: Term Jumper.1 20.75,70.96 R17.2
Net-(LVPWR1-A): length 3.8
  Top w1: 24V#2.2 49.01,4.42 v1(50.39,3.05)
  Bottom w1: v1(50.39,3.05) R7.1
Net-(LVPWR2-A): length 1.7
  Top w0.2: R3.1 6.66,18.39 6.7,18.42 8.13,18.42 LVPWR2.2
Net-(LVPWR3-A): length 2.3
  Top w0.2: R4.1 9.28,8.45 9.48,8.45
Net-(LVPWR4-A): length 1.7
  Top w0.2: LVPWR4.2 6.95,25.96 6.82,25.84 R5.1
Net-(LVPWR5-A): length 1.6
  Top w0.2: R8.1 6.76,22.15 6.86,22.25 LVPWR5.2
Net-(LVPWR6-A): length 2.4
  Top w0.2: 21.46,8.45 19.96,6.95 19.68,6.95
Net-(LVPWR7-A): length 1.7
  Top w0.3: LVPWR7.2 4.1,51.5 R6.1
Net-(LVPWR8-A): length 1.7
  Top w0.2: R21.1 6.58,16.62 8.01,16.62 LVPWR8.2
Net-(LVPWR9-A): length 1.7
  Top w0.2: LVPWR9.2 6.71,11.08 6.69,11.05 6.65,11.05 R22.1
Net-(LVPWR10-A): length 1.5
  Top w0.2: 5.6,8.45 R23.1
Net-(LVPWR11-A): length 1.7
  Top w0.2: R24.1 13.59,8.33 13.46,8.45 13.46,8.56 LVPWR11.2
Net-(LVPWR12-A): length 1.7
  Top w0.2: LVPWR12.2 17.38,8.45 17.5,8.33 R26.1
Net-(LVPWR13-A): length 1.5
  Top w0.2: R27.1 25.44,7.01 25.44,8.39 25.4,8.42
Net-(LVPWR14-A): length 1.7
  Top w0.2: LVPWR14.2 33.28,7.08 R28.1
Net-(LVPWR15-A): length 1.7
  Top w0.2: LVPWR15.2 29.35,7.08 R29.1
Net-(LVPWR16-A): length 2.5
  Top w1: 52.89,27.53 52.86,27.55 v3(51.39,27.55)
  Bottom w1: R19.1 51.38,27.56 v3(51.39,27.55)
Net-(LVPWR17-A): length 2.7
  Top w0.3: v1(52.99,9.05) FAN_B_NEG.2
  Bottom w0.3: R20.1 v1(52.99,9.05)
Net-(Q1-G): length 3.9
  Top w0.5: Q1.4 41.88,29.8 R_G1.1 41.73,31.18 R_PD1.2
Net-(Q2-D_1): length 6.8
  Top w1: C_R2.1 17.42,27.36 19.18,27.36 20.16,28.34 ; 19.18,27.1 21.13,27.1
Net-(Q5-G): length 4.8
  Top w0.5: Q5.4 41.71,24.28 R_G2.1 41.44,24.25 R_PD2.2
Net-(U1-BOOT): length 3.7
  Top w0.3: R1.1 19.71,39.75 18.2,38.24 U1.6
Net-(U1-EN): length 2.2
  Top w0.3: R16.2 17.43,37.29 U1.5
Net-(U1-FB): length 15.3
  Top w0.5: R2.2 13.28,40.62 v2(12.79,40.62) ; v2(11.71,36.25) 11.69,36.23 11.69,35.12 13.11,33.7 15.53,33.7 R9.1 16.7,34.88 U1.4
  Bottom w0.5: v2(11.71,36.25) 11.69,36.28 11.69,39.53 v2(12.79,40.62)

## Copper pours and planes (outline as drawn; the poured copper is in the pictures)
+12V on Top: 8.79,50.65 8.79,51.45 12.54,51.45 12.54,54.7 7.89,54.7 7.89,66.1 4.99,66.1 4.99,50.65
+24V on Top: 12.19,36.95 15.24,36.95 15.24,35.7 13.99,35.7 13.99,34.95 12.19,34.95
+24V on Top: 26.24,42.15 26.24,34.95 27.76,34.95 27.76,42.15
+24V on Top: 19.19,29.45 32.29,29.45 32.29,37.1 19.19,37.1
+24V on Bottom: 58.29,2.05 35.99,2.05 35.99,13.85 36.09,20.95 11.99,20.95 11.99,37.05 58.29,37.05
/12V_BUS on Top: 8.79,42.15 8.79,51.55 19.09,51.55 19.09,42.15
/VIN_24V on Top: 36.79,43.15 53.99,51.95 57.99,51.95 57.99,48.95 53.99,48.95 36.79,40.09
/VIN_24V on Top: 29.64,36.05 29.64,43.95 36.79,43.95 36.79,36.05
GND on Top: -0.01,-0.05 59.49,-0.05 59.49,48.95 53.99,48.95 36.79,40.09 36.79,36.05 32.39,36.05 32.39,29.45 19.19,29.45 18.99,37.05 26.19,37.1 26.19,42.25 27.76,42.15 27.79,37.05 29.59,37.05 29.64,43.95 36.79,43.95 36.79,43.25 53.99,51.95 57.99,51.95 57.99,48.95 59.49,48.95 59.49,65.15 59.59,75.95 7.79,76.05 7.89,66.1 7.89,54.7 12.54,54.7 12.54,51.45 19.09,51.55 19.09,42.15 8.79,42.15 8.79,50.65 4.99,50.65 4.99,66.1 7.89,66.1 7.79,76.05 -0.21,76.05
GND on Bottom: -0.01,-0.05 59.49,-0.05 59.49,2.05 35.99,2.05 36.09,20.95 11.99,20.95 11.99,37.05 58.29,37.05 58.29,2.05 59.49,2.05 59.19,75.75 -0.01,75.75
/Buck Converter 24V-12V/SW on Top: 15.24,40.6 13.64,40.6 13.64,38.98 8.36,38.98 8.36,36.92 15.24,36.92
/Fans/FAN_A_NEG on Top: 44.77,29.38 47.87,29.38 47.87,32.28 44.77,32.28
/Fans/FAN_B_NEG on Top: 44.79,23.95 47.89,23.95 47.89,26.85 44.79,26.85

## Text on the board
F.Silkscreen: Moco Interface / LHR / Rev A 2025 / Jennifer Li
